# Allegro board MB1219_REVB_160112.brd (continued)
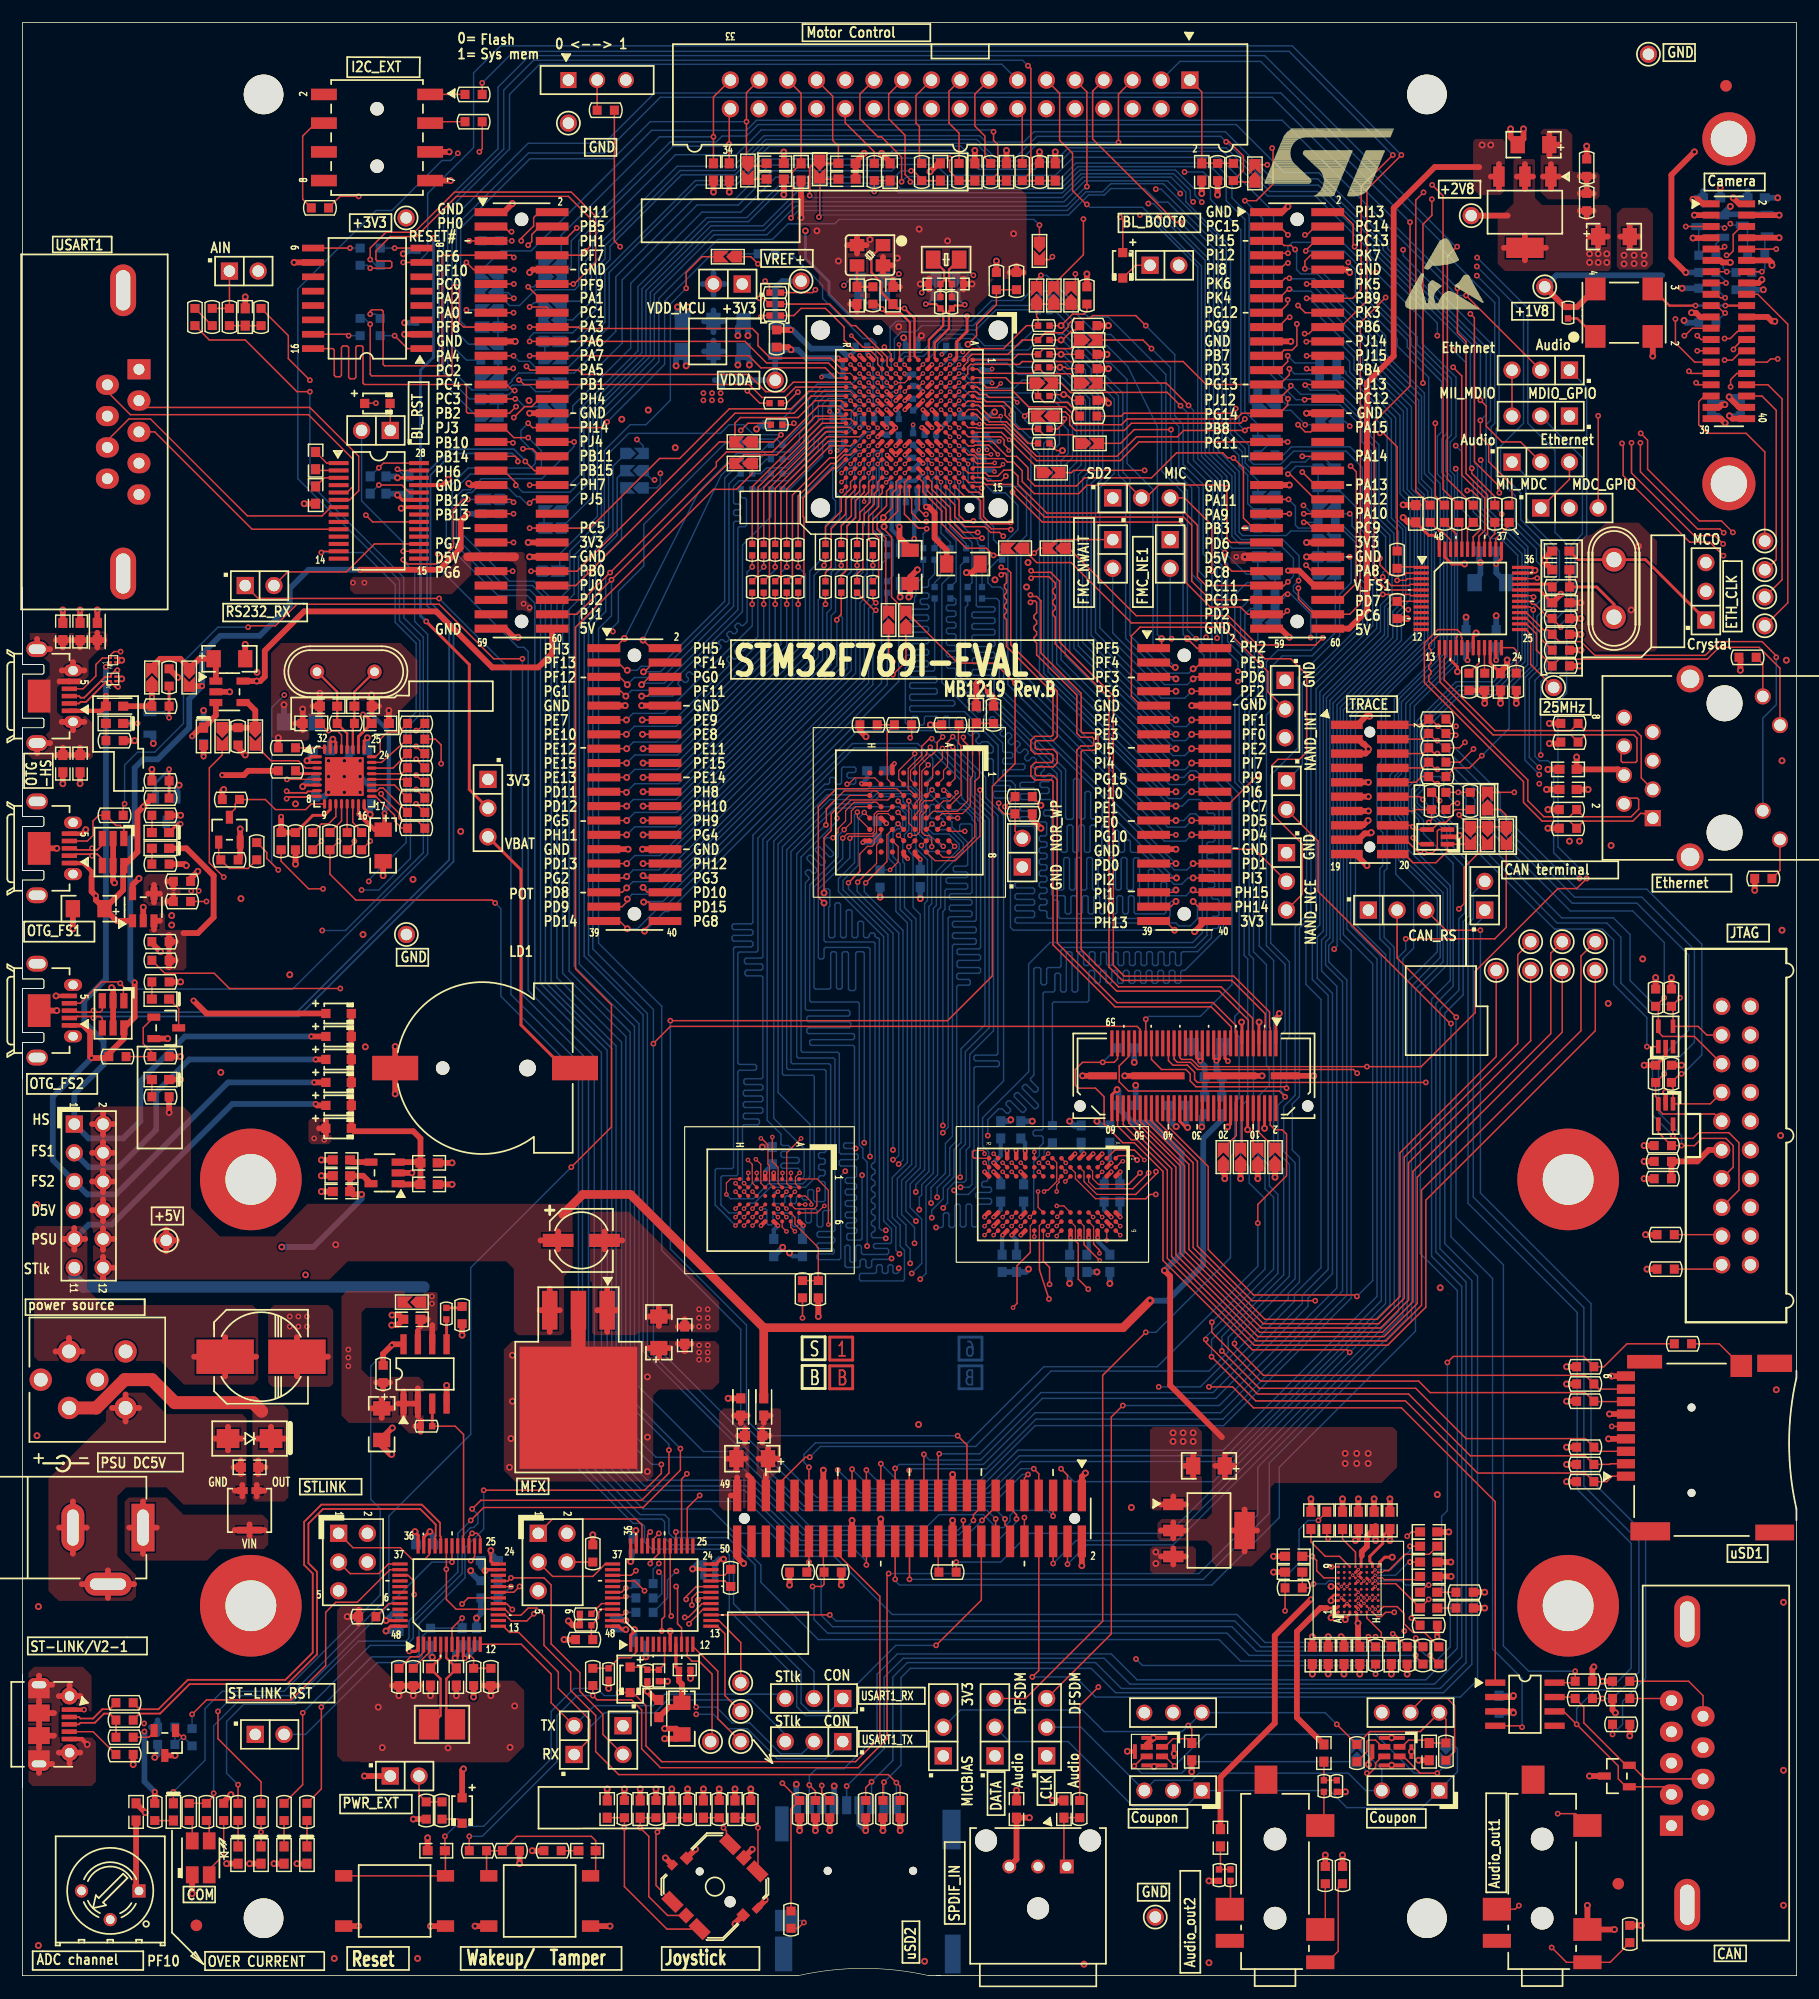
[diagram p0: board, top side]
## Routing (per net, layer and track width the routed paths; a pad name or vN(x,y) marks a point on that pad's centre or on a via; arc(x,y) is an arc through that point) (continued)
GND: length 735
  TOP w0.203: D4.B1 8.56,114.48 v4(8.76,114.68) 8.56,114.88 D4.B2 ; D3.B2 8.56,116.53 v4(8.76,116.33) 8.56,116.13 D3.B1
  TOP w0.229: U20.E8 v2(118.11,35.41) 118.36,35.16 U20.E7 ; U20.A4 115.96,33.66 115.7,33.4 v4(115.7,33.16) 115.7,33.16 U20.A3 ; v2(119.61,34.41) 119.61,34.41 119.36,34.17 U20.G5 ; U20.A5 116.11,34.42 v4(115.7,34.42) ; U20.A1 116.33,32.16 115.82,31.66 v4(115.7,31.66) ; U20.C1 117.36,31.96 116.96,31.56 v4(116.96,31.49) ; U20.D6 v2(118.08,34.89) ; v2(118.11,32.91) 118.36,32.66 U20.E2 ; v2(119.11,34.91) U20.F7
  TOP w0.254: v4(128.52,118.75) 128.27,118.49 U6.19 ; CN15.18 106.82,75.32 v4(106.55,75.06) ; CN15.6 v4(109.82,74.93) ; U6.36 133.47,124.54 v4(133.73,124.28) 133.49,124.04 U6.35 ; v4(127.51,124.84) 126.36,124.84 125.77,125.44 U6.47 ; CN15.12 v4(108.32,74.82) ; v4(119,18.67) 119,18.92 119.32,19.25 U25.5 ; v4(111.12,85.09) 110.82,84.78 CN15.1 ; v4(109.33,84.33) 109.32,84.31 CN15.7 ; v4(107.78,84.33) 107.82,84.29 CN15.13 ; U8.2 25.29,107.29 v4(25.15,107.44) 25.5,107.8 U8.1 ; v4(121.11,37.01) 120.45,37.01 120.02,36.58 120.02,36.32 U20.H9 ; v1(106.58,80.87) 106.32,81.13 CN15.19 ; v4(126.87,115.32) 126.87,115.75 126.27,116.36 U6.15
  TOP w0.279: U21.47 v4(32.13,31.41) ; v4(40.89,35.81) 40.98,35.9 U21.23 ; U22.8 v4(57.27,30.47) ; U22.47 v4(53.34,31.41) ; v4(54.23,39.37) 54.27,39.33 U22.35 ; U21.35 35.47,38.77 35.94,39.24 35.99,39.24 v4(36.02,39.27) ; U22.23 59.98,35.9 59.92,35.97 v4(59.25,35.97) ; v4(38.24,28.08) 38.47,28.31 U21.8
  TOP w0.305: U12.2 145.29,81.41 R138.1 ; U5.23 33.57,130.52 v4(33.15,130.94)
  TOP w0.356: v4(37.64,132.33) 37.12,131.82 U5.25
  TOP w0.381: v3(74.01,143.29) U4.N1 ; U15.L3 v3(88.26,71.09) ; U4.H6 v3(78.01,138.49) ; U4.G12 79.27,134.09 v3(79.63,133.73) ; U15.P8 v3(85.86,66.29) ; U16.E6 v3(65.29,66.33) ; U4.K9 v3(77.22,136.89) 76.82,137.29 U4.K8 ; v3(78.26,98.78) 77.91,99.13 U9.E8 ; U15.M1 87.86,72.93 v3(87.84,72.95) ; v3(74.17,105.42) 74.22,105.37 U9.H2 ; U4.F6 v3(80.41,139.29) ; v3(74.3,100.22) 74.45,100.37 U9.H7 ; U15.D1 v3(94.66,72.69) ; U15.A3 v3(97.06,71.09) ; v3(79.61,138.49) U4.F7 ; U15.B8 v3(96.26,66.29) ; U24.5 v4(97.69,19.84) ; U4.H10 v3(78.01,135.29) ; v3(77.21,135.29) 77.61,135.69 U4.J10 ; U4.M1 v3(74.81,143.29) ; v3(77.19,138.48) 77.2,138.48 U4.J6 ; U15.L9 v3(88.26,65.49) ; v4(5.59,101.35) 5.24,100.99 CN13.5 ; CN22.5 5.24,20.93 v4(5.72,20.45) ; U15.F1 v3(93.06,72.69) ; v3(80.41,142.49) U4.F2 ; v3(79.5,136.91) 79.59,136.91 U4.F9 ; v3(93.47,65.28) 93.46,65.29 U15.E9 ; U15.R3 v3(85.06,71.09) ; v3(87.04,72.95) 87.06,72.93 U15.N1 ; U15.C1 v3(95.46,72.69) ; v4(127.05,100.84) 126.92,100.71 U10.2 ; U15.B3 v3(96.26,71.09) ; v3(79.61,135.29) U4.G10 ; U4.F8 v3(80.41,136.89) ; v3(79.61,139.29) U4.G6 ; v3(76.41,139.29) U4.K6 ; U4.F10 v3(80.41,135.29) ; U15.P3 v3(85.86,71.09) ; CN14.5 v4(2.95,86.64) ; U4.K7 v3(76.41,138.49) ; U4.L6 v3(75.61,139.29) ; U16.D1 v3(66.41,70.99) ; U4.K10 v3(76.41,135.29) ; U13.2 v4(145.29,78.13)
  TOP w0.508: C66.2 v4(118.11,42.16) ; 1.45,17.92 CN22.7 2.61,18.72 ; CN6.30 v4(113.53,138.18) ; C48.1 v4(26.42,72.14) ; v4(93.98,44.45) 93.66,44.13 CN18.1 ; CN18.37 v4(70.8,44.7) ; 2.78,23.22 CN22.10 ; CN22.10 CN22.11 ; CN22.10 1.45,24.33 ; 77.57,149.35 C23.2 76.96,150 ; R301.2 v4(9.78,18.67) ; C38.2 v4(30.86,113.28) ; C38.2 31.51,112.27 ; C38.2 30.86,111.66 ; CN2.7 v4(37.85,158.75) ; 24.12,110.74 C40.2 ; C40.2 v4(24.77,112.01) ; C40.2 24.77,110.13 ; T2.2 v4(12.83,82.87) ; 55.3,58.29 C55.2 ; C55.2 56.26,59.13 ; C55.2 57.23,58.29 ; C55.2 56.26,57.45 ; X1.2 73.78,153.79 ; X1.2 72.93,153.04 ; X1.2 74.63,153.04 ; X1.2 73.78,152.29 ; R178.1 33.88,25.65 ; R178.1 v4(33.27,24.77) ; R178.1 32.66,25.65 ; CN22.8 4.15,25.68 ; CN22.8 3.2,24.73 ; CN22.8 5.1,24.73 ; C29.2 84.66,124.79 83.95,124.08 v4(83.45,124.08) ; v4(68.83,155.47) C10.1 ; CN12.5 118.75,108.08 119,108.33 v4(119,108.48) 119,108.53 118.59,108.94 118.52,108.94 118.11,109.35 CN12.3 ; C19.2 142.95,153.8 ; C19.2 142.11,154.76 ; C19.2 142.11,152.83 ; C19.2 141.27,153.8 ; C26.1 v4(24.89,130.18) ; C39.2 84.33,114.25 v4(84.56,114.48) ; CN4.12 154.45,151.69 154.69,151.46 v4(154.69,151.26) ; v4(61.09,157.73) C8.1 ; 103.5,44.12 C61.2 ; C61.2 102.67,45.09 ; C61.2 103.5,46.05 ; 106.17,72.01 SB29.2 106.17,70.99 106.3,70.87 v4(106.3,70.48) ; 87.27,150.62 R18.2 ; R18.2 88.49,150.62 ; R18.2 87.88,151.22 ; CN10.30 v4(54.81,99.62) ; C56.2 58.55,58.05 ; C56.2 57.94,57.4 ; C56.2 59.16,57.4 ; C12.1 80.98,160.27 v4(80.24,159.54) ; 24.26,53.01 C57.2 ; C57.2 24.26,56.46 ; C57.2 27,54.74 ; R181.1 42.01,25.65 ; R181.1 40.79,25.65 ; R181.1 v4(41.4,24.77) ; R194.2 v4(116.97,16.26) ; R96.1 v4(22.61,109.47) ; v4(32.94,82.17) BT1.2 v4(32.94,77.98) ; v4(32.69,48.44) 32.66,48.44 31.75,47.52 C58.2 31.75,46.86 32.51,46.1 v4(32.64,46.1) ; C94.1 v4(62.99,16.51) ; CN6.59 111.23,119.13 111.99,118.36 v4(112.01,118.36) ; CN4.3 v4(147.83,155.69) ; 73.18,147.83 C22.2 73.79,147.18 ; B3.7 v4(59.5,11.18) ; R168.1 v4(28.7,31.75) ; R168.1 29.72,31.14 ; R168.1 29.72,32.36 ; CN18.34 v4(73.34,40.26) ; CN4.22 154.3,146.69 154.69,146.3 v4(154.94,146.3) ; C68.2 v4(120.9,42.16) ; R78.1 v4(13.72,114.81) ; v4(150.52,138.94) 150.27,138.94 150.02,138.69 CN4.37 ; CN12.17 118.11,100.46 118.67,101.02 119.18,101.02 v4(119.25,101.09) ; U24.2 99.4,20.43 v4(100,21.03) ; v4(111.89,156.46) 111.38,155.96 CN6.1 ; C95.1 v4(87.88,16.38) ; LD10.2 v4(13.97,79.25) ; C96.2 v4(91.06,15.49) ; R40.1 95.77,139.32 v4(96.02,139.06) ; v4(131.83,24.77) 131.83,24.67 131.8,24.64 U23.2 ; CN12.9 v4(119,105.54) ; C14.1 v4(87,161.42) ; U19.1 102.86,41.67 ; U19.1 101.75,42.38 ; U19.1 100.65,41.67 ; CN5.50 v4(44.83,125.48) ; C33.2 v4(3.56,120.78) ; CN5.19 v4(43.56,144.53) ; C93.1 v4(60.2,16.51) ; B3.9 v4(56.84,10.41) ; 80.14,149.12 C20.2 ; C20.2 80.14,150.09 ; C20.2 v4(79.38,149.61) ; v4(65.66,6.73) 65.66,6.66 B3.10 ; v4(122.07,130.07) 123.42,130.07 C27.2 ; R6.2 v4(138.3,161.8) ; v4(43.81,118.36) 43.43,118.36 42.67,119.13 CN5.59 ; X1.4 76.08,152 ; X1.4 76.93,151.25 ; X1.4 76.08,150.5 ; v4(32.64,57.53) 33.15,57.53 C54.1 33.27,58.42 v4(32.66,58.42) ; C17.2 v4(67.31,157.51) ; R207.2 v4(34.54,13.84) ; U18.1 51.69,60.77 ; U18.1 51.69,56.93 ; U18.1 50.8,58.85 ; U18.1 52.58,58.85 ; v4(155.32,153.69) CN4.8 ; v4(151,151.51) 150.3,151.51 150.11,151.69 CN4.11 ; CN22.11 2.78,21.23 ; CN22.11 1.45,20.12 ; U7.2 v4(18.31,113.54) ; D15.3 v4(138.56,17.65) ; C13.1 v4(84.2,161.42) ; C84.2 v4(36.07,24.77) ; v4(150.9,139.62) 150.9,139.57 151.78,138.69 CN4.38 ; v4(138.37,6.21) CN28.3 v4(140.76,4.08) ; C74.2 v4(126.31,35.31) ; v4(118.97,102.16) 118.54,101.73 CN12.15 ; C85.2 v4(38.35,24.77) ; v4(75.96,161.16) 75.96,161.15 76.71,160.4 C11.2 ; v4(48.26,31.37) 48.64,30.99 R169.2 R167.2 ; CN18.2 v4(93.66,36.26) ; 26.29,111.66 C37.2 ; C37.2 v4(26.29,113.41) ; C37.2 25.64,112.27 ; U3.10 v4(24,151.51) ; C99.1 v4(35.81,12.19) ; CN11.29 v4(101.98,99.62) ; CN18.19 v4(82.23,44.32) ; C53.2 53.02,65.02 ; C53.2 51.45,64.24 ; C53.2 51.45,65.81 ; CN15.61 v4(114.17,79.58) ; C9.1 v4(62.48,157.73) ; R103.1 v4(11.43,106.68) ; v4(155.32,155.69) CN4.4 ; C36.1 v4(130.68,112.52) ; CN6.39 v4(112.01,131.83) ; v4(110.74,70.61) SB32.2 110.74,72.01 ; C97.2 v4(10.85,14.43) ; CN10.29 v4(53.54,99.62) ; R179.1 v4(34.54,24.77) ; R179.1 33.93,25.65 ; R179.1 35.15,25.65 ; CN5.30 v4(44.83,138.18) ; R36.1 v4(95.89,143.38) ; v4(39.45,131.97) 39.59,131.83 CN5.39 ; CN5.1 42.55,155.96 v4(43.31,156.72) ; CN6.10 117.09,150.88 v4(117.35,150.62) ; C31.1 134.54,125.04 v4(134.54,125.17) 134.54,125.27 C28.2 ; v4(17.78,104.9) 17.65,104.78 R108.1 ; CN12.13 v4(119,103) ; U17.4 v4(37.49,52.2) ; 3.2,19.72 CN22.9 ; CN22.9 5.1,19.72 ; CN22.9 4.15,18.77 ; C92.1 v4(57.4,16.51) ; R145.1 v4(143.64,62.48) ; R223.2 v4(116.71,10.67) ; 107.7,72.01 SB30.2 v4(107.7,70.48) ; CN4.7 149.28,153.67 v4(147.7,153.67) ; C67.2 v4(119.51,42.16) ; L1.1 v4(6.6,120.78) ; R129.1 14.86,97.03 v4(15.49,97.66) ; CN15.62 v4(109.6,79.58) ; v4(62.99,4.57) 62.99,4.63 B3.8 ; CN13.10 v4(3.02,99.69) ; v4(79.12,124.33) 78.49,123.7 C30.2 78.49,122.05 v4(78.36,121.92) ; CN6.19 v4(112.14,144.53) ; C72.2 v4(126.29,36.58) ; 109.22,72.01 SB31.2 v4(109.22,70.48) ; v4(138.94,27.3) 138.81,27.18 R183.2 ; B3.5 v4(64.52,11.18) ; C71.1 v4(110.62,37.08) ; C87.2 v4(103.38,18.03) ; v4(153.8,149.99) 153.5,149.69 CN4.16 ; R166.2 v4(129.29,32.51) ; C24.1 v4(19.68,148.46) ; C43.2 v4(5.08,105.41) ; B1.4 v4(36.07,4.38) ; CN12.19 117.86,99.19 v4(118.87,98.17) ; C49.1 v4(37.97,71.88) ; v4(56.77,21.84) 57.78,21.84 C86.2 57.91,20.95 v4(56.77,20.95) ; C46.2 v4(31.88,97.28) ; C63.1 v4(113.92,42.16) ; C82.1 v4(59.05,26.29) ; R220.1 v4(104.9,8.38) ; CN5.10 45.09,150.88 v4(44.83,150.62) ; CN18.30 v4(75.88,40.39) ; L4.1 v4(62.38,51.05) ; C34.2 v4(5.08,120.78) ; C18.1 C7.1 73.66,160.4 v4(74.42,161.16) ; v4(19.68,107.95) 19.05,108.58 R92.1 ; C83.1 v4(57.02,26.04) ; C69.2 v4(126.11,39.24) ; C15.2 v4(91.31,161.29) ; v4(132.72,163.32) 132.72,162.43 C5.2 131.57,162.56 v4(131.57,163.32) ; v4(8.13,96.65) 8,96.77 D5.5 D5.2 ; C88.2 v4(123.44,19.05) ; v4(147.57,147.07) 147.66,147.07 147.67,147.06 147.96,147.06 148.33,146.69 CN4.21 ; C47.2 v4(4.45,92.58) ; C52.2 v4(26.42,69.34) ; C6.1 v4(67.31,161.28) ; C81.2 v4(121.03,26.67) ; R218.2 v4(43.94,9.91) ; U11.2 v4(10.67,94.49) ; CN10.10 v4(54.74,112.32) ; v4(38.86,56.64) R149.1 ; C21.2 83.19,150.09 ; C21.2 v4(83.95,149.61) ; C21.2 83.19,149.12 ; C32.1 v4(137.79,121.41) ; C79.2 v4(116.84,26.67) ; CN6.50 v4(113.53,125.48) ; C42.2 v4(3.56,105.41) ; C50.1 v4(26.42,70.74) ; CN12.11 v4(119,104.27) ; CN15.64 v4(93.73,79.58) ; CN17.9 v4(140.52,53.02) ; C41.2 v4(32.38,111.89) ; CN10.9 v4(53.29,112.32) ; CN18.20 v4(82.23,40.26) ; R21.1 v4(94.11,150.5) ; C90.1 v4(51.69,16.51) ; R81.1 v4(132.08,112.52) ; C35.2 v4(19.68,117.73) ; CN14.10 v4(3.02,85.34) ; 2.61,25.73 CN22.6 1.45,26.53 ; CN15.63 v4(97.46,79.58) ; R137.1 v4(13.97,81.28) ; C78.2 v4(115.44,26.68) ; v4(140.84,23.24) 140.59,23.5 R186.1 ; R144.1 v4(143.51,65.53) ; C45.1 v4(134.75,104.9) ; R222.2 v4(115.19,10.67) ; R165.2 v4(129.29,33.91) ; C44.1 v4(134.87,106.68) ; C91.1 v4(54.61,16.51) ; C16.1 v4(104.27,157.61) ; R176.1 v4(51.82,25.4) ; v4(143.38,80.52) R138.1 ; C73.1 v4(110.62,35.69) ; LD12.1 v4(15,7.25) ; R38.1 v4(96.01,142.11) ; R225.1 v4(143.13,4.45) ; D7.5 D7.2 8,87.25 v4(7.87,87.38) ; C80.2 v4(118.24,26.67) ; CN11.10 v4(103.38,112.32) ; R32.1 v4(96.01,145.92) ; C51.1 v4(37.97,69.98) ; CN17.6 v4(140.32,49.67) ; C65.2 v4(116.71,42.16) ; X3.2 v4(144.15,143.23) ; R12.2 v4(89.92,161.29) ; C77.2 v4(114.05,26.67) ; U14.2 v4(34.42,70.99) ; B1.1 v4(29.72,4.38) ; R143.1 v4(143.38,70.48)
  L4_SIG w0.508: 2.44,81.19 CN14.9 1.28,80.29 ; 4.46,86.88 CN14.7 ; CN14.7 5.46,87.62 ; CN14.7 3.46,87.62 ; CN14.7 4.46,88.36 ; CN26.6 149.81,14.63 ; CN26.6 147.37,14.63 ; CN26.6 148.59,15.72 ; CN26.6 148.59,13.54 ; 151.82,75.56 CN16.10 ; CN16.10 152.78,74.6 ; CN16.10 152.78,76.53 ; CN16.10 153.75,75.56 ; 3.46,97.42 CN13.6 ; CN13.6 4.46,96.68 ; CN13.6 4.46,98.16 ; CN13.6 5.46,97.42 ; CN14.6 4.46,83.81 ; CN14.6 4.46,82.33 ; CN14.6 3.46,83.07 ; CN14.6 5.46,83.07 ; 151.82,62.87 CN16.20 ; CN16.20 152.78,63.83 ; CN16.20 152.78,61.9 ; CN16.20 153.75,62.87 ; 101.73,22.34 CN24.5 ; CN24.5 101.73,24.17 ; CN24.5 102.64,23.26 ; CN24.5 100.81,23.26 ; 1.28,104.75 CN13.8 2.44,103.85 ; CN29.2 89.79,10.47 ; CN29.2 89.79,8.84 ; CN29.2 90.6,9.65 ; CN29.2 88.98,9.65 ; CN7.5 11.51,130.99 ; CN7.5 10.29,129.9 ; CN7.5 10.29,132.08 ; CN7.5 9.07,130.99 ; 141.6,110.34 141.6,111.25 ; 141.6,111.25 142.52,111.25 ; 141.6,111.25 140.69,111.25 ; 141.6,111.25 141.6,112.17 ; 122.73,15.45 CN25.2 ; CN25.2 122.73,17.28 ; CN25.2 121.81,16.37 ; CN25.2 123.64,16.37 ; CN21.2 48.13,40.08 ; CN21.2 47.17,39.12 ; CN21.2 49.1,39.12 ; CN21.2 48.13,38.15 ; CN16.4 153.75,83.19 ; CN16.4 152.78,84.15 ; CN16.4 152.78,82.22 ; CN16.4 151.82,83.19 ; TP13.1 33.93,93.04 ; TP13.1 34.9,92.08 ; TP13.1 32.97,92.08 ; TP13.1 33.93,91.11 ; 1.28,90.4 CN14.8 2.44,89.49 ; 145.85,31.32 CN26.10 ; CN26.10 148.54,31.32 ; CN26.10 147.19,33.81 ; CN26.10 147.19,28.83 ; 5.21,6.71 RV1.3 ; RV1.3 5.21,8.28 ; RV1.3 5.99,7.49 ; RV1.3 4.42,7.49 ; L3.4 6.6,53.9 ; L3.4 5.41,52.7 ; L3.4 6.6,51.51 ; L3.4 7.8,52.7 ; 8.89,146.56 CN7.11 ; CN7.11 8.89,151.54 ; CN7.11 7.54,149.05 ; CN7.11 10.24,149.05 ; 152.78,69.52 CN16.14 ; CN16.14 152.78,71.45 ; CN16.14 153.75,70.48 ; CN16.14 151.82,70.48 ; 152.78,77.14 CN16.8 ; CN16.8 153.75,78.11 ; CN16.8 151.82,78.11 ; CN16.8 152.78,79.07 ; 152.78,72.06 CN16.12 ; CN16.12 151.82,73.03 ; CN16.12 153.75,73.03 ; CN16.12 152.78,73.99 ; CN9.13 148.84,114.68 ; CN9.13 146.05,114.68 ; CN9.13 147.44,113.28 ; 147.44,97.53 CN9.14 ; CN9.14 148.84,98.93 ; CN9.14 147.44,100.33 ; CN9.14 146.05,98.93 ; 4.15,23.77 CN22.8 ; CN22.8 5.1,24.73 ; CN22.8 4.15,25.68 ; CN22.8 3.2,24.73 ; CN22.9 5.1,19.72 ; CN22.9 3.2,19.72 ; CN22.9 4.15,18.77 ; CN22.9 4.15,20.68 ; 144.58,18.8 CN26.3 ; CN26.3 147.02,18.8 ; CN26.3 145.8,17.7 ; CN26.3 145.8,19.89 ; 53.09,21.13 JP25.1 ; JP25.1 53.09,23.06 ; JP25.1 54.05,22.1 ; JP25.1 52.12,22.1 ; 101.73,15.45 CN24.2 ; CN24.2 101.73,17.28 ; CN24.2 102.64,16.37 ; CN24.2 100.81,16.37 ; CN7.10 8.89,126.49 ; CN7.10 7.54,124 ; CN7.10 8.89,121.51 ; CN7.10 10.24,124 ; 151.82,65.41 CN16.18 ; CN16.18 153.75,65.41 ; CN16.18 152.78,66.37 ; CN16.18 152.78,64.44 ; TP26.1 101.12,5.18 ; TP26.1 100.15,4.22 ; TP26.1 99.19,5.18 ; TP26.1 100.15,6.15 ; CN16.16 152.78,68.91 ; CN16.16 151.82,67.94 ; CN16.16 152.78,66.98 ; CN16.16 153.75,67.94 ; CN22.6 1.45,26.53 ; CN22.6 2.61,25.73 ; CN22.6 1.45,24.92 ; 145.85,6.27 CN26.11 ; CN26.11 148.54,6.27 ; CN26.11 147.19,3.78 ; CN26.11 147.19,8.76 ; CN16.6 153.75,80.64 ; CN16.6 152.78,81.61 ; CN16.6 152.78,79.68 ; CN16.6 151.82,80.64 ; L3.5 1.6,53.9 ; L3.5 2.8,52.7 ; L3.5 1.6,51.51 ; CN22.7 2.61,18.72 ; CN22.7 1.45,19.53 ; CN22.7 1.45,17.92 ; JP28.1 21.54,21.34 ; JP28.1 19.61,21.34 ; JP28.1 20.57,22.3 ; JP28.1 20.57,20.37 ; 2.44,95.54 CN13.9 1.28,94.64 ; 4.46,101.23 CN13.7 ; CN13.7 3.46,101.97 ; CN13.7 4.46,102.71 ; CN13.7 5.46,101.97 ; 7.91,55.21 L3.6 ; L3.6 9.1,54.01 ; L3.6 9.1,56.4 ; L3.6 10.3,55.21
  BOTTOM w0.381: v1(78.84,127.08) 78.84,129.41 79.12,129.69 C135.2 C134.2 ; C129.2 84.99,133.12 85.83,133.12 v3(85.93,133.02) ; v3(70.64,141.38) 70.74,141.48 C112.1 ; v3(77.21,135.29) 77.47,135.55 C125.2 ; 78.74,133.22 79.25,133.73 v3(79.63,133.73) ; v3(85.27,134.93) 84.2,136 84.2,136.14 ; v3(74.17,105.42) 74.22,105.42 74.68,105.88 C144.2 ; v3(85.72,142.09) 85.62,141.99 C111.2 ; v3(77.98,141.68) 78.05,141.6 78.74,141.6 ; C121.2 77.47,138.2 v3(77.19,138.48) ; v3(74.81,143.29) 74.68,143.42 C108.1 ; v3(79.5,136.91) 79.76,136.65 C124.2 ; v3(74.01,136.89) 74.3,137.17 C122.2 ; v3(79.61,138.49) 79.76,138.34 C120.2 ; C147.2 75.2,100.22 v3(74.3,100.22) ; C158.2 97.03,71.06 v3(97.06,71.09) ; v3(83.13,143.59) 83.13,143.69 C106.2 ; 84.2,137.79 C119.2 82.93,138.37 v3(82.81,138.49) ; C123.2 71.62,138.05 71.37,138.3 v3(71.37,138.33) 71.37,138.73 C114.2 ; v3(71.43,134.75) 71.43,135.43 C128.2 ; C159.2 95.63,70.46 v3(96.26,71.09) ; v4(67.82,63.91) 68.1,63.63 68.96,63.63 ; v3(85.86,71.09) 86.49,70.46 C161.2 ; C115.2 78.75,138.43 v3(79.61,139.29) ; v3(88.26,71.09) 88.52,70.83 C160.2 ; C127.2 v3(78.74,137.16)
  BOTTOM w0.508: v4(36.02,39.27) 36.07,39.22 36.07,39.12 36.32,38.86 C169.1 ; C132.2 33.02,131.06 v4(33.15,130.94) 33.27,131.06 C131.1 ; T6.2 11.56,109.5 v4(11.56,108.97) ; CN30.9 v4(68.41,16.93) ; v4(54.23,39.37) 53.85,38.99 C170.1 ; v4(63.25,145.03) 63.25,145.8 C103.2 64.14,145.92 v4(64.14,145.03) ; v4(25.15,107.44) 25.65,107.95 C143.2 ; C102.1 v4(150.11,158.12) ; 128.4,123.19 128.91,123.95 v4(128.91,124.97) 128.78,125.09 C136.1 ; v4(58.67,142.37) 58.67,143.26 C110.2 57.78,143.13 v4(57.78,142.37) ; v4(64.9,136.78) 65.28,137.16 R253.1 ; L9.1 104.27,75.95 v4(104.27,75.06) ; C152.2 v4(98.42,78.74) ; C177.1 38.86,29.08 38.24,28.46 v4(38.24,28.08) ; C146.2 30.73,105.16 v4(29.84,106.05) ; R295.1 40.51,32 v4(40.13,31.62) C176.1 ; v4(57.91,147.57) 57.91,146.69 C104.2 58.8,146.81 v4(58.8,147.57) ; C157.2 v4(65.41,73.28) ; C174.1 32.73,32 v4(32.13,31.41) ; T7.2 13.65,105.09 v4(13.84,105.28) ; 52.2,31.62 52.83,31.62 53.05,31.41 v4(53.34,31.41) ; v4(95,75.56) 95.38,75.18 C155.2 ; CN30.6 v4(71.76,16.77) ; v4(63.25,142.44) 63.25,143.13 C109.2 64.26,143.13 v4(64.26,142.44) ; C154.2 87.25,75.56 v4(87.38,75.69) ; C164.2 v4(96.14,61.21) ; 34.8,146.18 v4(33.78,146.18) ; R300.1 11.94,19.56 v4(11.68,19.3) ; C148.2 v4(79.38,95.25) ; C141.2 v4(23.11,112.39) ; C137.2 77.6,122.73 v4(77.6,121.92) ; C117.2 149.71,139.09 150.37,139.09 v4(150.52,138.94) ; C166.2 v4(92.58,61.21) ; C165.2 v4(95,62.23) ; C151.2 101.35,75.69 101.95,75.08 v4(102.01,75.08) ; C178.1 v4(55.12,28.19) ; C116.2 151.71,139.62 v4(150.9,139.62) ; C173.1 C172.2 59.73,36.45 v4(59.25,35.97) ; C171.1 40.51,36.2 v4(40.89,35.81) ; v4(79.48,145.03) 79.5,145.03 79.12,144.65 C107.2 ; C168.2 C167.2 88.7,62.23 v4(88.95,62.48) ; v4(67.21,64.41) 66.42,63.63 ; C179.2 v4(131.83,24.77) ; C140.1 v4(127.64,120.14) ; C139.2 v4(130.3,120.27) ; v4(28.45,107.44) 28.96,107.95 C142.2 ; v4(27.05,104.65) 26.67,104.27 C145.2 ; C156.2 92.96,75.18 v4(92.58,75.56) ; C153.2 v4(89.28,75.56) ; C101.2 v4(155.19,157.23)
  vias: v1(23.62,58.29) v1(23.62,57.4) v1(24.38,58.29) v1(24.38,57.4) v1(25.15,58.29) v1(25.15,57.4) v1(59.82,58.93) v1(59.82,58.17) v1(59.82,57.4) v1(60.58,58.93) v1(60.58,58.17) v1(60.58,57.4) v1(134.11,105.41) v4(1.27,68.2) v4(1.27,47.75) v4(1.4,32.64) v4(1.4,2.67) v4(17.53,79.88) v4(19.3,95.25) v4(23.62,88.52) v4(24.13,103.63) v4(25.02,61.98) v4(27.05,107.44) v4(27.05,106.05) v4(27.56,1.52) v4(28.45,106.05) v4(28.45,104.65) v4(29.84,107.44) v4(29.84,104.65) v4(30.1,92.08) v4(30.3,82.14) v4(31.45,23.75) v4(31.8,20.17) v4(34.52,96.95) v4(34.92,1.52) v4(37.62,20.14) v4(38.73,101.19) v4(43.1,20.19) v4(43.51,23.85) v4(44.78,139.29) v4(52.98,137.64) v4(55.32,138.46) v4(57.71,135.13) v4(70.23,154.31) v4(72.14,151.64) v4(74.93,153.54) v4(77.34,151.89) v4(77.47,145.82) v4(79.22,48.74) v4(79.27,154.46) v4(79.76,1.27) v4(81.79,153.42) v4(85.98,123.44) v4(87.63,154.05) v4(88.77,122.81) v4(88.9,124.97) v4(93.85,1.02) v4(98.04,41.4) v4(100.05,18.49) v4(101.73,48.01) v4(101.73,47.24) v4(101.83,19.63) v4(102.62,48.01) v4(102.62,47.24) v4(103.5,48.01) v4(103.5,47.24) v4(104.9,1.14) v4(121.06,21.03) v4(121.06,18.62) v4(122.81,19.81) v4(125.09,42.55) v4(125.35,60.83) v4(140.21,85.98) v4(140.46,99.95) v4(141.6,152.15) v4(141.6,151.38) v4(142.24,120.78) v4(142.49,152.15) v4(142.49,151.41) v4(142.88,126.42) v4(143.26,89.92) v4(143.38,152.15) v4(143.38,151.41) v4(155.07,51.82) v4(155.45,74.3) v4(155.57,107.44) v4(155.57,92.46) v4(155.7,33.02) v4(155.7,18.16) v4(155.7,6.22) v4(155.96,116.33)
VBUS_FS1: length 207.7
  TOP w0.381: CN13.1 5.36,98.4 6.1,97.66 6.1,97.16
  TOP w0.508: D9.1 v1(25.91,81.03) ; v1(111.89,124.26) 112.88,124.26 114.2,122.94 CN6.54 ; R106.1 v1(10.67,103.38) 10.16,102.87 10.16,99.37 D5.6 8.89,98.1 8.89,96.01 C47.1 ; C47.1 6.48,95.12 v1(6.48,95.5) 6.1,95.89 6.1,97.16 ; C47.1 8.31,93.29 U11.1
  L4_SIG w0.508: v1(111.89,124.26) 111.89,126.75 110.62,128.02 v1(108.08,128.02) 107.95,127.89 107.95,127.13 108.97,126.11 108.97,123.95 106.43,121.41 97.66,121.41 95.52,119.27 60.69,119.27 58.42,121.54 48.97,121.54 46.44,119.01 45.73,119.01 43.31,116.59 43.31,111.76 36.96,105.41 36.96,103.48 32.79,99.31 26.42,99.31 24.64,101.09 22.35,101.09 19.68,103.76 11.05,103.76 v1(10.67,103.38) ; JP20.3 3.18,74.17 3.18,76.35 5.16,78.33 5.16,81.48 7.62,83.95 7.62,86.36 6.48,87.5 v1(6.48,95.5)
  BOTTOM w0.508: v1(108.08,128.02) R265.2 ; JP20.3 5.84,71.5 8.51,71.5 11.81,74.8 11.81,78.11 14.73,81.03 v1(25.91,81.03)
VBUS_FS2: length 119.4
  TOP w0.381: CN14.1 5.36,84.04
  TOP w0.508: 5.36,84.04 5.97,83.44 5.97,81.28 v1(6.1,81.15) 7.49,81.15 R136.1 7.62,81.53 8.95,82.86 D7.6 9.91,84.77 v1(9.91,87.83) ; D10.1 v1(25.78,78.99) ; SB22.1 v1(15.88,114.05) ; v1(39.37,129.29) 38.73,128.65 38.73,126.24 36.83,124.33 v1(29.84,124.33)
  BOTTOM w0.508: v1(25.78,78.99) 18.16,78.99 8.26,69.09 5.72,69.09 JP20.5 2.67,72.14 2.67,77.72 v1(6.1,81.15) ; v1(29.84,124.33) 25.27,124.33 23.62,122.68 23.62,121.16 20.95,118.49 17.48,118.49 15.88,116.89 v1(15.88,114.05) 14.73,112.9 14.73,110.36 11.94,107.57 10.67,107.57 9.91,106.81 9.91,100.97 9.53,100.58 9.53,88.14 9.83,87.83 v1(9.91,87.83) ; v1(39.37,129.29) R263.1
VBUS_HS: length 76.5
  TOP w0.203: D3.A1 7.75,116.13 v1(7.37,115.75)
  TOP w0.381: CN8.1 6.96,111.86 L2.2
  TOP w0.508: L2.2 v1(7.37,113.18) ; D8.1 v1(25.53,83.06)
  BOTTOM w0.508: v1(7.37,115.75) v1(7.37,113.18) 7.37,88.14 5.46,86.23 5.46,84.33 7.16,82.63 7.16,80.56 4.57,77.98 JP20.1 5.84,74.04 8.89,74.04 10.41,75.56 10.41,79.12 14.35,83.06 v1(25.53,83.06)
VDD_MCU: length 42.3
  TOP w0.381: v3(75.61,138.49) U4.L7 ; U4.E8 v3(81.21,136.89) U4.E9 ; U4.F4 v3(80.41,140.89) ; U4.J5 v3(77.22,139.29) ; U4.H5 v3(78.01,139.29) ; U4.L8 v3(76.41,136.89) ; U4.H11 v3(78.01,134.49) ; U4.K11 v3(77.21,134.49) U4.J11 ; v3(79.61,140.09) U4.G5 ; U4.L9 v3(75.61,136.09) ; v3(81.21,135.29) U4.E10 ; v3(79.61,134.49) U4.G11 ; U4.F11 v3(80.41,134.49) ; U4.K5 v3(76.41,140.09) ; U4.L10 v3(75.61,135.29) ; U4.F5 v3(80.41,140.09) ; U4.E7 v3(80.41,138.49)
  BOTTOM w0.381: v3(75.61,138.49) 75.31,138.19 C122.1 ; C113.1 79.11,140.59 v3(79.61,140.09) ; C120.1 80.77,138.12 v3(80.41,138.49) ; C121.1 76.45,136.93 v3(76.41,136.89) ; v3(81.21,136.89) 81.92,137.59 C119.1 ; v4(77.9,144.86) 78.04,144.72 78.04,144.21 C107.1 ; C114.1 72.62,138.94 v3(72.06,138.38) 72.64,137.8 C123.1 ; C125.1 75.79,136.27 v3(75.61,136.09) ; v3(81.21,135.29) 80.77,135.73 C124.1 ; v3(86.36,135.69) 85.67,135.69 C126.1 ; v4(85.95,138.29) 85.83,138.18 85.72,138.18 85.34,137.79 C118.1 ; v3(78.01,139.29) 78.17,139.45 C115.1 ; v3(79.61,134.49) 78.74,135.36 C127.1 ; C111.1 85.6,140.97 v3(85.72,140.84) ; C129.1 84.53,134.54 84.53,134.9 v3(84.56,134.92) ; v3(72.01,134.87) 72.14,134.87 72.64,135.38 C128.1 ; C106.1 81.66,143.76 v3(81.28,143.38) ; v3(78.01,134.49) 78.26,134.24 C130.1
  BOTTOM w0.508: 61.09,146.3 61.93,146.3 ; 61.09,146.3 61.09,145.34 ; 61.09,146.3 60.25,146.3 ; 61.09,146.3 61.09,147.27 ; 61.09,143.64 61.93,143.64 ; 61.09,143.64 60.25,143.64 ; 61.09,143.64 61.09,144.6 ; 61.09,143.64 61.09,142.67 ; 60.12,149.61 JP2.2 ; JP2.2 61.09,148.64 ; JP2.2 61.09,150.57 ; JP2.2 62.05,149.61 ; L7.1 61.85,141.71 ; L7.1 61.85,140.49 ; L7.1 61.2,141.1
  vias: v1(60.2,139.95) v1(60.2,139.32) v1(60.96,139.95) v1(60.96,139.32) v1(61.72,139.95) v1(61.72,139.32)
VDDA: length 15.5
  TOP w0.381: v3(72.14,143.05) 72.14,143.01 72.26,142.89 U4.R1
  TOP w0.508: R33.1 67.72,144.02 v4(67.94,143.79)
  BOTTOM w0.381: v3(72.14,143.05) 72.52,142.67 C112.2
  BOTTOM w0.508: L7.2 TP7.1 C109.1 66.7,143.79 v4(67.94,143.79) 68.55,143.79 69.29,143.05 v3(72.14,143.05)
A0: length 143.6
  TOP w0.102: U9.E2 77.47,105.81 77.47,106.58 78.84,107.95 ; v3(91.44,66.29) 91.83,66.69 U15.G8 ; v3(69.74,68.2) 69.74,68.44 69.22,68.95 U16.A3
  TOP w0.127: CN11.14 v4(103.38,109.78) ; 78.84,107.95 78.84,108.03 v5(78.89,108.08)
  L4_SIG w0.102: v4(103.38,109.78) 102.9,109.3 101.35,109.3 98.48,106.43 80.17,106.43 78.89,107.71 v5(78.89,108.08) ; v3(91.44,66.29) 91.44,66.55 89.83,68.15 84.28,68.15 83.59,67.46 79.57,67.46 v1(79.29,67.74) 79.21,67.82 78.81,67.82 78.61,67.61 78.41,67.61 78.2,67.82 78,67.82 77.8,67.61 77.59,67.61 77.39,67.82 77.19,67.82 76.98,67.61 76.78,67.61 76.58,67.82 76.38,67.82 76.17,67.61 75.97,67.61 75.77,67.82 75.56,67.82 75.36,67.61 75.16,67.61 74.95,67.82 74.75,67.82 74.55,67.61 74.34,67.61 74.14,67.82 73.94,67.82 73.73,67.61 73.53,67.61 73.33,67.82 73.12,67.82 72.92,67.61 72.72,67.61 72.51,67.82 72.31,67.82 72.11,67.61 71.9,67.61 71.7,67.82 71.42,67.82 71.32,67.72 70.21,67.72 69.74,68.18 v3(69.74,68.2)
  BOTTOM w0.127: v1(79.29,67.74) 79.29,68.85 79.5,69.06 79.5,69.95 80.53,70.98 80.53,94.39 80.8,94.65 80.8,97.64 82.8,99.64 82.8,99.69 82.82,99.7 82.82,100.06 81.92,100.97 80.52,100.97 79.88,101.6 79.88,104.14 78.89,105.13 v5(78.89,108.08) ; R247.2 91.02,142.24 91.52,141.74 91.53,141.74 93.98,139.29 93.98,133.35 93.34,132.72 93.34,117.6 101.73,109.22 102.82,109.22 v4(103.38,109.78)
A1: length 143.1
  TOP w0.102: U9.D2 78.51,105.77 78.51,106.58 79.88,107.95 ; U15.G9 91.44,65.47 v3(91.44,65.41) ; U16.A4 69.2,68.21 v3(69.2,68.2)
  TOP w0.127: 79.88,107.95 79.93,108 79.93,108.31 v5(80.26,108.64) ; CN11.12 v4(103.38,111.05)
  L4_SIG w0.102: v5(80.26,108.64) 80.26,108.46 81.53,107.19 97.89,107.19 101.22,110.52 102.84,110.52 v4(103.38,111.05) ; v3(69.2,68.2) 69.2,68.07 69.96,67.31 79.25,67.31 79.5,67.06 80.26,67.06 80.29,67.03 v1(80.39,67.03) 80.49,67.13 83.77,67.13 84.49,67.85 89.6,67.85 91.01,66.44 91.01,65.83 v3(91.44,65.41)
  BOTTOM w0.127: v1(80.39,67.03) 80.39,67.69 81.41,68.71 81.41,69.7 82.36,70.65 82.36,73.06 82.98,73.68 82.98,81.97 85.09,84.07 85.09,102.11 83.03,104.17 83.03,105.66 80.26,108.43 v5(80.26,108.64) ; R244.2 91.44,142.75 92.04,142.75 93.22,141.57 93.22,141.13 94.74,139.61 94.74,132.84 94.11,132.21 94.11,118.19 101.83,110.46 102.9,110.46 103.38,110.95 v4(103.38,111.05)
A2: length 139.8
  TOP w0.102: 81.33,107.95 81.33,107.62 80.47,106.76 80.47,105.93 U9.C2 ; v3(70.89,68.07) 70.87,68.07 70.25,67.46 U16.A5 ; v3(91.44,68.07) 92.08,68.07 U15.F7
  TOP w0.127: v5(81.33,108.53) 81.33,107.95 ; CN11.8 v4(103.38,113.59)